# Allegro board pc065c_fibv2_toplevel_28smoothed.brd (continued)
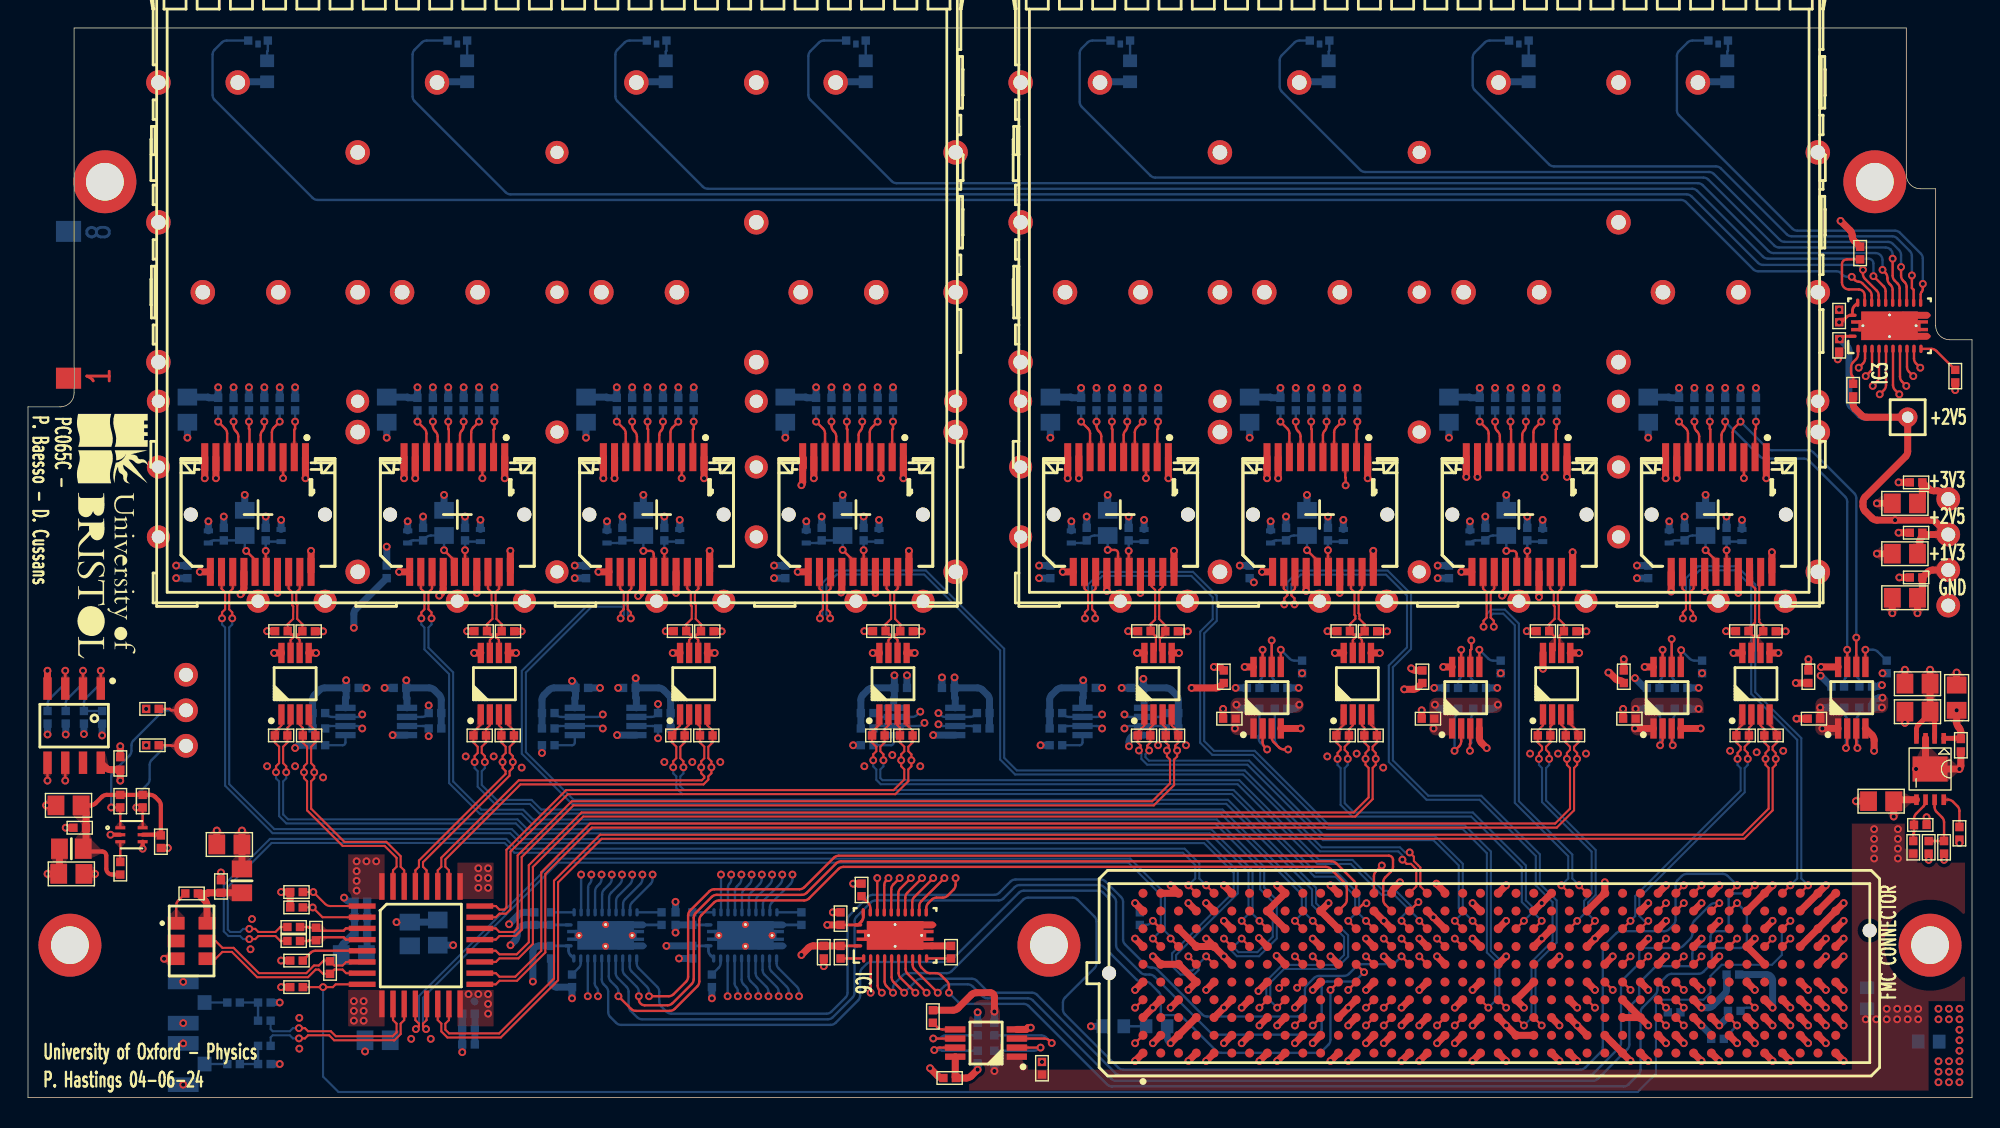
[diagram p0: board, top side]
## Routing (per net, layer and track width the routed paths; a pad name or vN(x,y) marks a point on that pad's centre or on a via; arc(x,y) is an arc through that point) (continued)
  BOTTOM w0.17: v1(41.74,15.95) 41.74,15.63 arc(41.7,15.44) 41.59,15.28 41.2,14.88 arc(41.09,14.72) 41.05,14.53 IC4.6 ; R53.2 v1(56.35,48.34)
SFP_LOS<4>: length 139.8
  TOP w0.17: v1(75.3,48.34) 75.79,47.85 arc(75.9,47.69) 75.94,47.5 J36.8
  L3_SIG w0.17: v1(42.47,15.95) 42.47,15.08 arc(42.43,14.89) 42.32,14.72 41.75,14.15 arc(41.58,14.04) 41.39,14 38.31,14 arc(38.12,14.04) 37.95,14.15 34.35,17.75 arc(34.18,17.86) 33.99,17.9 19.61,17.9 arc(19.42,17.94) 19.25,18.05 14.45,22.85 arc(14.34,23.02) 14.3,23.21 14.3,29.79 arc(14.26,29.98) 14.15,30.15 11.45,32.85 arc(11.34,33.02) 11.3,33.21 11.3,39.49 arc(11.26,39.68) 11.15,39.85 9.95,41.05 arc(9.84,41.22) 9.8,41.41 9.8,42.49 arc(9.84,42.68) 9.95,42.85 11.05,43.95 arc(11.16,44.12) 11.2,44.31 11.2,45.79 arc(11.16,45.98) 11.05,46.15 10.75,46.45 arc(10.64,46.62) 10.6,46.81 10.6,47.69 arc(10.64,47.88) 10.75,48.05 10.95,48.25 arc(11.06,48.42) 11.1,48.61 11.1,52.29 arc(11.14,52.48) 11.25,52.65 13.35,54.75 arc(13.52,54.86) 13.71,54.9 63.39,54.9 arc(63.58,54.86) 63.75,54.75 70.01,48.49 arc(70.17,48.38) 70.36,48.34 v1(75.3,48.34)
  BOTTOM w0.17: R126.2 v1(75.3,48.34) ; IC4.7 41.55,14.3 arc(41.59,14.49) 41.7,14.65 42.32,15.28 arc(42.43,15.44) 42.47,15.63 v1(42.47,15.95)
SFP_LOS<5>: length 157.8
  TOP w0.17: v1(89.55,48.34) 90.04,47.85 arc(90.15,47.69) 90.19,47.5 J32.8
  L3_SIG w0.17: v1(43.2,15.95) 43.2,14.91 arc(43.16,14.72) 43.05,14.55 42.25,13.75 arc(42.08,13.64) 41.89,13.6 38.01,13.6 arc(37.82,13.64) 37.65,13.75 34.05,17.35 arc(33.88,17.46) 33.69,17.5 19.41,17.5 arc(19.22,17.54) 19.05,17.65 13.95,22.75 arc(13.84,22.92) 13.8,23.11 13.8,29.59 arc(13.76,29.78) 13.65,29.95 8.35,35.25 arc(8.24,35.42) 8.2,35.61 8.2,41.59 arc(8.24,41.78) 8.35,41.95 10.65,44.25 arc(10.76,44.42) 10.8,44.61 10.8,45.49 arc(10.76,45.68) 10.65,45.85 10.35,46.15 arc(10.24,46.32) 10.2,46.51 10.2,47.99 arc(10.24,48.18) 10.35,48.35 10.55,48.55 arc(10.66,48.72) 10.7,48.91 10.7,52.49 arc(10.74,52.68) 10.85,52.85 13.25,55.25 arc(13.42,55.36) 13.61,55.4 81.29,55.4 arc(81.48,55.36) 81.64,55.25 88.4,48.49 arc(88.57,48.38) 88.76,48.34 v1(89.55,48.34)
  BOTTOM w0.17: IC4.8 42.05,14.07 arc(42.09,14.26) 42.2,14.42 43.05,15.28 arc(43.16,15.44) 43.2,15.63 v1(43.2,15.95) ; R118.2 v1(89.55,48.34)
SFP_LOS<6>: length 180.8
  TOP w0.17: v1(103.8,48.34) 104.29,47.85 arc(104.4,47.69) 104.44,47.5 J28.8
  L3_SIG w0.17: v1(43.93,15.95) 43.93,14.74 arc(43.89,14.55) 43.78,14.38 42.75,13.35 arc(42.58,13.24) 42.39,13.2 37.71,13.2 arc(37.52,13.24) 37.35,13.35 37.05,13.65 arc(36.88,13.76) 36.69,13.8 25.11,13.8 arc(24.92,13.76) 24.75,13.65 24.25,13.15 arc(24.08,13.04) 23.89,13 20,13 arc(19.65,13.15) 19.5,13.5 19.5,16.39 arc(19.46,16.58) 19.35,16.75 13.85,22.25 arc(13.68,22.36) 13.49,22.4 11.31,22.4 arc(11.12,22.44) 10.95,22.55 9.85,23.65 arc(9.74,23.82) 9.7,24.01 9.7,32.89 arc(9.66,33.08) 9.55,33.25 7.65,35.15 arc(7.54,35.32) 7.5,35.51 7.5,53.69 arc(7.54,53.88) 7.65,54.05 9.25,55.65 arc(9.42,55.76) 9.61,55.8 95.14,55.8 arc(95.33,55.76) 95.49,55.65 102.65,48.49 arc(102.82,48.38) 103.01,48.34 v1(103.8,48.34)
  BOTTOM w0.17: IC4.9 42.55,13.84 arc(42.59,14.03) 42.7,14.19 43.78,15.28 arc(43.89,15.44) 43.93,15.63 v1(43.93,15.95) ; R110.2 v1(103.8,48.34)
SFP_LOS<7>: length 200.2
  TOP w0.17: J24.8 118.69,47.5 arc(118.65,47.69) 118.54,47.85 v1(118.05,48.34)
  L3_SIG w0.17: v1(118.05,48.34) 117.15,49.25 arc(117.04,49.41) 117,49.6 117,52.19 arc(116.96,52.38) 116.85,52.55 113.35,56.05 arc(113.18,56.16) 112.99,56.2 9.41,56.2 arc(9.22,56.16) 9.05,56.05 7.25,54.25 arc(7.14,54.08) 7.1,53.89 7.1,35.21 arc(7.14,35.02) 7.25,34.85 9.05,33.05 arc(9.16,32.88) 9.2,32.69 9.2,23.51 arc(9.24,23.32) 9.35,23.15 10.55,21.95 arc(10.72,21.84) 10.91,21.8 13.49,21.8 arc(13.68,21.76) 13.85,21.65 18.85,16.65 arc(18.96,16.48) 19,16.29 19,13.51 arc(19.04,13.32) 19.15,13.15 19.55,12.75 arc(19.72,12.64) 19.91,12.6 24.19,12.6 arc(24.38,12.64) 24.55,12.75 24.95,13.15 arc(25.12,13.26) 25.31,13.3 36.59,13.3 arc(36.78,13.26) 36.95,13.15 37.15,12.95 arc(37.32,12.84) 37.51,12.8 39.59,12.8 arc(39.78,12.76) 39.95,12.65 40.65,11.95 arc(40.82,11.84) 41.01,11.8 41.79,11.8 arc(41.98,11.84) 42.15,11.95 44.51,14.31 arc(44.62,14.48) 44.66,14.67 v1(44.66,15.95)
  BOTTOM w0.17: v1(44.66,15.95) 44.66,15.63 arc(44.62,15.44) 44.51,15.28 43.2,13.96 arc(43.09,13.8) 43.05,13.61 IC4.10 ; R102.2 v1(118.05,48.34)
SFP_LOS_FPGA<0>: length 68.3
  TOP w0.17: 89.89,8.27 v1(89.46,7.84)
  L6_SIG w0.17: v1(40.02,7.25) 40.02,6.08 arc(40.06,5.89) 40.17,5.73 40.95,4.95 arc(41.12,4.84) 41.31,4.8 55.69,4.8 arc(55.88,4.84) 56.05,4.95 59.55,8.45 arc(59.72,8.56) 59.91,8.6 65.49,8.6 arc(65.68,8.64) 65.85,8.75 73.85,16.75 arc(74.02,16.86) 74.21,16.9 88.29,16.9 arc(88.48,16.86) 88.65,16.75 89.81,15.59 arc(89.91,15.43) 89.95,15.24 89.95,8.54 arc(89.91,8.35) 89.81,8.19 v1(89.46,7.84)
  BOTTOM w0.17: IC4.21 v1(40.02,7.25)
SFP_LOS_FPGA<1>: length 66.4
  TOP w0.17: J2.F10 v1(90.59,10.1)
  L6_SIG w0.17: v1(90.59,10.1) 91.05,10.57 arc(91.16,10.73) 91.2,10.92 91.2,14.73 arc(91.16,14.92) 91.05,15.08 88.65,17.48 arc(88.49,17.59) 88.3,17.63 74.24,17.63 arc(74.05,17.59) 73.88,17.48 65.58,9.18 arc(65.41,9.07) 65.22,9.03 59.44,9.03 arc(59.25,8.99) 59.08,8.88 55.88,5.68 arc(55.71,5.57) 55.52,5.53 41.61,5.53 arc(41.42,5.57) 41.26,5.68 40.9,6.03 arc(40.79,6.19) 40.76,6.38 v1(40.76,7.25)
  BOTTOM w0.17: v1(40.76,7.25) 40.76,7.61 arc(40.73,7.76) 40.64,7.89 arc(40.55,8.02) 40.52,8.17 IC4.20
SFP_LOS_FPGA<2>: length 73.6
  TOP w0.17: 93.69,8.27 v1(93.13,7.7)
  BOTTOM w0.17: v1(93.13,7.7) 93.13,4.14 arc(93.09,3.94) 92.98,3.78 92.55,3.35 arc(92.38,3.24) 92.19,3.2 85.31,3.2 arc(85.12,3.24) 84.95,3.35 82.55,5.75 arc(82.38,5.86) 82.19,5.9 81.2,5.9 arc(81.06,5.96) 81,6.1 81,7.19 arc(80.96,7.38) 80.85,7.55 80.25,8.15 arc(80.08,8.26) 79.89,8.3 79.61,8.3 arc(79.42,8.34) 79.25,8.45 77.45,10.26 arc(77.34,10.42) 77.3,10.61 77.3,14.03 arc(77.26,14.22) 77.15,14.38 76.88,14.65 arc(76.72,14.76) 76.53,14.8 71.21,14.8 arc(71.02,14.76) 70.85,14.65 66.05,9.85 arc(65.88,9.74) 65.69,9.7 60.31,9.7 arc(60.12,9.66) 59.95,9.55 59.65,9.25 arc(59.54,9.08) 59.5,8.89 59.5,7.31 arc(59.46,7.12) 59.35,6.95 57.75,5.35 arc(57.58,5.24) 57.39,5.2 42.41,5.2 arc(42.22,5.24) 42.05,5.35 41.63,5.77 arc(41.52,5.93) 41.48,6.12 41.48,7.57 arc(41.45,7.76) 41.34,7.92 41.17,8.09 arc(41.06,8.25) 41.02,8.44 IC4.19
SFP_LOS_FPGA<3>: length 65
  TOP w0.17: 93.69,13.35 94.15,13.8 arc(94.26,13.97) 94.3,14.16 94.3,14.99 arc(94.26,15.18) 94.15,15.35 93.15,16.35 arc(92.98,16.46) 92.79,16.5 58.31,16.5 arc(58.12,16.46) 57.95,16.35 55.85,14.25 arc(55.68,14.14) 55.49,14.1 49.41,14.1 arc(49.22,14.06) 49.05,13.95 48.15,13.05 arc(48.04,12.88) 48,12.69 48,8.31 arc(47.96,8.12) 47.85,7.95 46.25,6.35 arc(46.08,6.24) 45.89,6.2 43.47,6.2 arc(43.28,6.24) 43.12,6.35 v1(42.22,7.25)
  BOTTOM w0.17: IC4.18 41.52,8.67 arc(41.56,8.48) 41.67,8.32 42.07,7.92 arc(42.18,7.76) 42.22,7.57 v1(42.22,7.25)
SFP_LOS_FPGA<4>: length 74.7
  TOP w0.17: J2.F13 v1(95.53,8.97)
  BOTTOM w0.17: IC4.17 42.02,8.9 arc(42.06,8.71) 42.17,8.55 42.8,7.92 arc(42.91,7.76) 42.95,7.57 42.95,6.56 arc(42.98,6.37) 43.09,6.21 43.55,5.75 arc(43.72,5.64) 43.91,5.6 57.19,5.6 arc(57.38,5.64) 57.55,5.75 58.95,7.15 arc(59.06,7.32) 59.1,7.51 59.1,12.59 arc(59.14,12.78) 59.25,12.95 60.25,13.95 arc(60.42,14.06) 60.61,14.1 69.39,14.1 arc(69.58,14.14) 69.75,14.25 70.55,15.05 arc(70.72,15.16) 70.91,15.2 76.59,15.2 arc(76.78,15.16) 76.95,15.05 77.65,14.35 arc(77.76,14.18) 77.8,13.99 77.8,10.91 arc(77.84,10.72) 77.95,10.55 79.55,8.95 arc(79.72,8.84) 79.91,8.8 80.19,8.8 arc(80.38,8.76) 80.55,8.65 84.55,4.65 arc(84.72,4.54) 84.91,4.5 92.1,4.5 arc(92.38,4.62) 92.5,4.9 92.5,7.9 arc(92.62,8.18) 92.9,8.3 94.66,8.3 arc(94.85,8.34) 95.01,8.45 v1(95.53,8.97)
SFP_LOS_FPGA<5>: length 63.2
  TOP w0.17: J2.K13 94.97,15.13 arc(94.93,15.32) 94.82,15.48 93.55,16.75 arc(93.38,16.86) 93.19,16.9 58.14,16.9 arc(57.95,16.86) 57.79,16.75 55.68,14.65 arc(55.52,14.54) 55.33,14.5 49.24,14.5 arc(49.05,14.46) 48.89,14.35 47.75,13.21 arc(47.64,13.05) 47.6,12.86 47.6,8.47 arc(47.56,8.28) 47.45,8.12 46.08,6.75 arc(45.92,6.64) 45.73,6.6 44.1,6.6 arc(43.8,6.72) 43.67,7.03 v1(43.67,7.25)
  BOTTOM w0.17: v1(43.67,7.25) 43.67,7.57 arc(43.64,7.76) 43.53,7.92 42.67,8.78 arc(42.56,8.94) 42.52,9.13 IC4.16
SFP_LOS_FPGA<6>: length 67.6
  TOP w0.17: v1(44.41,7.25) 45.81,7.25 arc(46,7.29) 46.16,7.4 47.05,8.29 arc(47.16,8.45) 47.2,8.64 47.2,13.03 arc(47.24,13.22) 47.35,13.38 48.72,14.75 arc(48.88,14.86) 49.08,14.9 55.16,14.9 arc(55.35,14.94) 55.51,15.05 57.62,17.15 arc(57.78,17.26) 57.98,17.3 97.3,17.3 arc(97.51,17.21) 97.6,17 97.6,16.51 arc(97.56,16.32) 97.45,16.15 97.05,15.75 arc(96.94,15.58) 96.9,15.39 96.9,14.16 arc(96.94,13.97) 97.05,13.8 J2.J15
  BOTTOM w0.17: v1(44.41,7.25) 44.41,7.57 arc(44.37,7.76) 44.26,7.92 43.17,9.01 arc(43.06,9.17) 43.02,9.36 IC4.15
SFP_LOS_FPGA<7>: length 73.6
  TOP w0.17: 98.78,9.54 v1(98.21,10.1)
  BOTTOM w0.17: v1(98.21,10.1) 97.8,9.69 arc(97.63,9.58) 97.44,9.54 95.35,9.54 arc(95.16,9.5) 95,9.4 94.45,8.85 arc(94.28,8.74) 94.09,8.7 92.31,8.7 arc(92.12,8.66) 91.95,8.55 91.45,8.05 arc(91.34,7.88) 91.3,7.69 91.3,6.3 arc(91.15,5.95) 90.8,5.8 84.31,5.8 arc(84.12,5.84) 83.95,5.95 80.75,9.15 arc(80.58,9.26) 80.39,9.3 80.31,9.3 arc(80.12,9.34) 79.95,9.45 78.45,10.95 arc(78.34,11.12) 78.3,11.31 78.3,13.99 arc(78.26,14.18) 78.15,14.35 77.05,15.45 arc(76.88,15.56) 76.69,15.6 70.61,15.6 arc(70.42,15.56) 70.25,15.45 69.45,14.65 arc(69.28,14.54) 69.09,14.5 60.41,14.5 arc(60.22,14.46) 60.05,14.35 58.75,13.05 arc(58.64,12.88) 58.6,12.69 58.6,7.51 arc(58.56,7.32) 58.45,7.15 57.45,6.15 arc(57.28,6.04) 57.09,6 46.01,6 arc(45.82,6.04) 45.65,6.15 45.28,6.52 arc(45.17,6.68) 45.13,6.87 45.13,7.57 arc(45.1,7.76) 44.99,7.92 43.67,9.24 arc(43.56,9.4) 43.52,9.59 IC4.14
SFP_TD_N: length 6.4
  TOP w0.15: U3.6 19.43,32.73 19.25,32.91 19.25,33.12 19.39,33.12 R23.1 19.62,33.85 19.25,34.24 19.26,35.25 19.18,35.33 19.18,36.14 19.44,36.4 J7.19
SFP_TD_N_1: length 6.4
  TOP w0.15: J12.19 33.69,36.4 33.44,36.14 33.44,35.38 33.51,35.3 33.5,34.24 33.5,34.24 33.88,33.85 R35.1 33.64,33.12 33.49,33.12 33.49,32.91 33.67,32.73 U4.6
SFP_TD_N_2: length 6.4
  TOP w0.15: J16.19 47.94,36.4 47.69,36.14 47.69,35.33 47.76,35.26 47.75,34.24 48.12,33.85 R43.1 47.89,33.12 47.74,33.12 47.74,32.91 47.92,32.73 47.92,31.8
SFP_TD_N_3: length 6.4
  TOP w0.15: U6.6 62.17,32.73 61.99,32.91 61.99,33.12 62.14,33.12 R51.1 62.37,33.86 62,34.23 62,35.3 61.94,35.37 61.94,36.14 62.19,36.4 J20.19
SFP_TD_N_4: length 6.2
  TOP w0.15: U7.6 123.7,31.98 123.7,32.98 R100.1 124.07,33.73 123.79,34.01 123.79,34.19 123.78,34.2 123.78,36.08 123.79,36.09 123.79,36.59 123.89,36.69 J24.19
SFP_TD_N_5: length 6.3
  TOP w0.15: U8.6 109.5,31.93 109.5,33.03 R108.1 109.83,33.85 109.45,34.24 109.46,35.24 109.39,35.32 109.39,36.14 109.64,36.4 J28.19
SFP_TD_N_6: length 6.4
  TOP w0.15: J32.19 95.39,36.4 95.14,36.14 95.14,34.64 95.2,34.57 95.2,34.45 95.2,34.24 95.58,33.85 R116.1 95.34,33.12 95.19,33.12 95.19,32.91 95.38,32.73 U9.6
SFP_TD_N_7: length 6.3
  TOP w0.15: U10.6 80.94,31.99 80.94,32.84 81.32,33.22 R124.1 81.32,33.77 80.88,34.23 80.88,34.4 80.88,36.28 81.14,36.54 J36.19
SFP_TD_P: length 6.4
  TOP w0.15: J7.18 18.64,36.4 18.89,36.14 18.89,35.2 18.96,35.13 18.96,34.24 18.57,33.86 R22.1 18.81,33.12 18.95,33.12 18.95,32.91 18.77,32.73 U3.7
SFP_TD_P_1: length 6.4
  TOP w0.15: J12.18 32.89,36.4 33.15,36.14 33.15,35.26 33.22,35.18 33.21,34.24 32.83,33.86 R34.1 33.06,33.12 33.2,33.12 33.2,32.91 33.02,32.73 U4.7
SFP_TD_P_2: length 6.4
  TOP w0.15: J16.18 47.14,36.4 47.4,36.14 47.4,35.21 47.47,35.14 47.46,34.24 47.08,33.86 R42.1 47.31,33.12 47.45,33.12 47.45,32.91 47.27,32.73 U5.7
SFP_TD_P_3: length 6.4
  TOP w0.15: U6.7 61.52,32.73 61.7,32.91 61.7,33.12 61.56,33.12 R50.1 61.33,33.86 61.71,34.24 61.71,34.24 61.71,35.18 61.65,35.24 61.65,36.14 61.39,36.4 J20.18
SFP_TD_P_4: length 6.4
  TOP w0.15: U7.7 123.39,31.96 123.39,32.99 R99.1 123.02,33.53 123.48,33.97 123.48,34.19 123.49,34.2 123.49,36.2 123.5,36.22 123.5,36.4 123.09,36.81 J24.18
SFP_TD_P_5: length 6.3
  TOP w0.15: J28.18 108.84,36.4 109.09,36.14 109.09,35.2 109.17,35.12 109.16,34.24 109.16,34.24 108.78,33.86 R107.1 109.17,32.97 109.17,31.99 U8.7
SFP_TD_P_6: length 6.4
  TOP w0.15: J32.18 94.59,36.4 94.84,36.14 94.84,34.52 94.91,34.45 94.91,34.24 94.53,33.86 R115.1 94.76,33.12 94.91,33.12 94.91,32.91 94.72,32.73 U9.7
SFP_TD_P_7: length 6.3
  TOP w0.15: U10.7 80.64,31.97 80.64,32.95 80.6,32.99 80.6,33.03 R123.1 80.28,33.88 80.59,34.19 80.59,34.4 80.59,36.31 80.34,36.56 J36.18
SFP_TX_DISABLE<0>: length 67.6
  TOP w0.17: IC6.21 v1(60.73,15.7) ; J7.3 v1(18.24,44.3)
  L6_SIG w0.17: v1(60.73,15.7) 58.07,18.35 arc(57.91,18.46) 57.72,18.5 28.21,18.5 arc(28.02,18.54) 27.85,18.65 18.95,27.55 arc(18.84,27.72) 18.8,27.91 18.8,41.59 arc(18.76,41.78) 18.65,41.95 18.39,42.21 arc(18.28,42.38) 18.24,42.57 v1(18.24,44.3)
SFP_TX_DISABLE<1>: length 54.5
  TOP w0.17: IC6.20 61.23,15.19 arc(61.26,15.38) 61.37,15.55 v1(61.52,15.7) ; J12.3 v1(32.49,44.3)
  L6_SIG w0.17: v1(32.49,44.3) 32.49,43.82 arc(32.53,43.63) 32.64,43.46 33.25,42.85 arc(33.36,42.68) 33.4,42.49 33.4,27.11 arc(33.44,26.92) 33.55,26.75 38.75,21.55 arc(38.92,21.44) 39.11,21.4 55.62,21.4 arc(55.81,21.36) 55.97,21.25 v1(61.52,15.7)
SFP_TX_DISABLE<2>: length 39.2
  TOP w0.17: IC6.19 61.73,14.89 arc(61.76,15.08) 61.87,15.25 v1(62.33,15.7) ; J16.3 v1(46.74,44.3)
  L6_SIG w0.17: v1(62.33,15.7) 47.35,30.68 arc(47.24,30.84) 47.2,31.03 47.2,43.63 arc(47.16,43.82) 47.05,43.99 v1(46.74,44.3)
SFP_TX_DISABLE<3>: length 37.7
  TOP w0.17: v1(63.12,15.7) 62.37,14.95 arc(62.26,14.78) 62.23,14.59 IC6.18 ; J20.3 v1(60.99,44.3)
  L6_SIG w0.17: v1(60.99,44.3) 60.99,42.72 arc(61.03,42.53) 61.14,42.36 64.45,39.05 arc(64.56,38.88) 64.6,38.69 64.6,37.51 arc(64.64,37.32) 64.75,37.15 65.85,36.05 arc(65.96,35.88) 66,35.69 66,32.81 arc(66.04,32.62) 66.15,32.45 67.95,30.65 arc(68.06,30.48) 68.1,30.29 68.1,24.41 arc(68.06,24.22) 67.95,24.05 63.27,19.37 arc(63.16,19.21) 63.12,19.02 v1(63.12,15.7)
SFP_TX_DISABLE<4>: length 46.2
  TOP w0.17: IC6.17 62.73,14.29 arc(62.76,14.48) 62.87,14.65 v1(63.92,15.7) ; J36.3 v1(79.94,44.3)
  L6_SIG w0.17: v1(79.94,44.3) 78.15,42.51 arc(78.04,42.34) 78,42.15 78,38.91 arc(78.04,38.72) 78.15,38.55 80.05,36.65 arc(80.16,36.48) 80.2,36.29 80.2,34.11 arc(80.16,33.92) 80.05,33.75 77.75,31.45 arc(77.64,31.28) 77.6,31.09 77.6,24.81 arc(77.56,24.62) 77.45,24.45 76.75,23.75 arc(76.58,23.64) 76.39,23.6 68.51,23.6 arc(68.32,23.56) 68.15,23.45 64.07,19.37 arc(63.96,19.21) 63.92,19.02 v1(63.92,15.7)
SFP_TX_DISABLE<5>: length 58.3
  TOP w0.17: v1(94.21,43.79) 94.21,44.33 94.19,44.35 J32.3 ; IC6.16 63.23,13.99 arc(63.26,14.18) 63.37,14.35 v1(64.72,15.7)
  L6_SIG w0.17: v1(94.21,43.79) 94.21,42.29 arc(94.25,42.1) 94.36,41.94 95.05,41.25 arc(95.16,41.08) 95.2,40.89 95.2,28.91 arc(95.16,28.72) 95.05,28.55 89.85,23.35 arc(89.68,23.24) 89.49,23.2 69.01,23.2 arc(68.82,23.16) 68.65,23.05 64.87,19.27 arc(64.76,19.11) 64.72,18.92 v1(64.72,15.7)
SFP_TX_DISABLE<6>: length 68.5
  TOP w0.17: IC6.15 63.73,13.69 arc(63.76,13.88) 63.87,14.05 v1(65.53,15.7) ; J28.3 v1(108.44,44.38)
  L6_SIG w0.17: v1(108.44,44.38) 108.44,43.57 arc(108.48,43.38) 108.59,43.21 109.25,42.55 arc(109.36,42.38) 109.4,42.19 109.4,34.21 arc(109.36,34.02) 109.25,33.85 107.25,31.85 arc(107.08,31.74) 106.89,31.7 106.01,31.7 arc(105.82,31.66) 105.65,31.55 104.25,30.15 arc(104.08,30.04) 103.89,30 97.31,30 arc(97.12,29.96) 96.95,29.85 90.05,22.95 arc(89.88,22.84) 89.69,22.8 69.61,22.8 arc(69.42,22.76) 69.25,22.65 65.67,19.07 arc(65.56,18.91) 65.53,18.72 v1(65.53,15.7)
SFP_TX_DISABLE<7>: length 84
  TOP w0.17: J24.3 v1(122.69,44.3) ; v1(66.33,15.7) 66.33,15.22 arc(66.29,15.03) 66.18,14.87 65.75,14.45 arc(65.59,14.34) 65.4,14.3 64.97,14.3 arc(64.78,14.26) 64.62,14.15 64.37,13.91 arc(64.26,13.75) 64.22,13.55 IC6.14
  L6_SIG w0.17: v1(122.69,44.3) 122.69,43.42 arc(122.73,43.23) 122.84,43.06 123.65,42.25 arc(123.76,42.08) 123.8,41.89 123.8,31.81 arc(123.76,31.62) 123.65,31.45 123.25,31.05 arc(123.08,30.94) 122.89,30.9 117.71,30.9 arc(117.52,30.86) 117.35,30.75 115.45,28.85 arc(115.28,28.74) 115.09,28.7 99.51,28.7 arc(99.32,28.66) 99.15,28.55 98.55,27.95 arc(98.38,27.84) 98.19,27.8 95.71,27.8 arc(95.52,27.76) 95.35,27.65 90.25,22.55 arc(90.08,22.44) 89.89,22.4 70.11,22.4 arc(69.92,22.36) 69.75,22.25 66.47,18.97 arc(66.36,18.81) 66.33,18.62 v1(66.33,15.7)
SFP_TX_DISABLE_FPGA<0>: length 82
  TOP w0.17: IC6.3 v1(60.25,7.5) ; 117.83,9.54 v1(118.39,10.1)
  L6_SIG w0.17: v1(60.25,7.5) 61.6,6.15 arc(61.77,6.04) 61.96,6 66.69,6 arc(66.88,6.04) 67.05,6.15 68,7.1 arc(68.17,7.21) 68.36,7.25 74.94,7.25 arc(75.13,7.29) 75.3,7.4 75.95,8.05 arc(76.06,8.22) 76.1,8.41 76.1,9.39 arc(76.14,9.58) 76.25,9.75 76.65,10.15 arc(76.82,10.26) 77.01,10.3 77.79,10.3 arc(77.98,10.34) 78.15,10.45 78.35,10.65 arc(78.52,10.76) 78.71,10.8 84.4,10.8 arc(84.75,10.65) 84.9,10.3 84.9,3.71 arc(84.94,3.52) 85.05,3.35 86.65,1.75 arc(86.82,1.64) 87.01,1.6 106.69,1.6 arc(106.88,1.64) 107.05,1.75 108.75,3.45 arc(108.86,3.62) 108.9,3.81 108.9,10.19 arc(108.94,10.38) 109.05,10.55 110.35,11.85 arc(110.52,11.96) 110.71,12 117.38,12 arc(117.57,11.96) 117.74,11.85 118.25,11.35 arc(118.35,11.18) 118.39,10.99 v1(118.39,10.1)
SFP_TX_DISABLE_FPGA<1>: length 89.7
  TOP w0.17: IC6.4 60.75,8.01 arc(60.79,7.82) 60.9,7.65 v1(61.05,7.5) ; 116.56,8.27 v1(117.12,7.7)
  L6_SIG w0.17: v1(117.12,7.7) 118.95,9.53 arc(119.06,9.69) 119.1,9.88 119.1,11.99 arc(119.06,12.18) 118.95,12.35 118.15,13.15 arc(117.98,13.26) 117.79,13.3 108,13.3 arc(107.72,13.18) 107.6,12.9 107.6,3.61 arc(107.56,3.42) 107.45,3.25 106.35,2.15 arc(106.18,2.04) 105.99,2 88.01,2 arc(87.82,2.04) 87.65,2.15 86.35,3.45 arc(86.24,3.62) 86.2,3.81 86.2,11.29 arc(86.16,11.48) 86.05,11.65 85.75,11.95 arc(85.58,12.06) 85.39,12.1 79.31,12.1 arc(79.12,12.06) 78.95,11.95 77.95,10.95 arc(77.78,10.84) 77.59,10.8 76.71,10.8 arc(76.52,10.76) 76.35,10.65 75.85,10.15 arc(75.74,9.98) 75.7,9.79 75.7,8.61 arc(75.66,8.42) 75.55,8.25 75.45,8.15 arc(75.28,8.04) 75.09,8 68.51,8 arc(68.32,7.96) 68.15,7.85 66.85,6.55 arc(66.68,6.44) 66.49,6.4 62.36,6.4 arc(62.17,6.44) 62,6.55 v1(61.05,7.5)
SFP_TX_DISABLE_FPGA<2>: length 91.1
  TOP w0.17: 121.64,14.62 v1(122.2,15.18) ; IC6.5 61.25,8.31 arc(61.29,8.12) 61.4,7.95 v1(61.85,7.5)
  BOTTOM w0.17: v1(61.85,7.5) 61.85,7.84 arc(61.89,8.03) 62,8.2 62.55,8.75 arc(62.72,8.86) 62.91,8.9 65.69,8.9 arc(65.88,8.94) 66.05,9.05 71.15,14.15 arc(71.32,14.26) 71.51,14.3 74.69,14.3 arc(74.88,14.26) 75.05,14.15 76.25,12.95 arc(76.36,12.78) 76.4,12.59 76.4,9.61 arc(76.36,9.42) 76.25,9.25 74.15,7.15 arc(74.04,6.98) 74,6.79 74,6.31 arc(74.04,6.12) 74.15,5.95 77.95,2.15 arc(78.12,2.04) 78.31,2 110.99,2 arc(111.18,2.04) 111.35,2.15 112.45,3.25 arc(112.56,3.42) 112.6,3.61 112.6,10.59 arc(112.64,10.78) 112.75,10.95 113.55,11.75 arc(113.72,11.86) 113.91,11.9 116.99,11.9 arc(117.18,11.94) 117.35,12.05 117.65,12.35 arc(117.76,12.52) 117.8,12.71 117.8,15.19 arc(117.84,15.38) 117.95,15.55 118.25,15.85 arc(118.42,15.96) 118.61,16 121.17,16 arc(121.37,15.96) 121.53,15.85 v1(122.2,15.18)
SFP_TX_DISABLE_FPGA<3>: length 73.8
  TOP w0.17: v1(62.65,7.5) 61.9,8.25 arc(61.79,8.42) 61.75,8.61 IC6.6 ; J2.J33 v1(120.93,13.91)
  BOTTOM w0.17: v1(120.93,13.91) 120.62,13.91 arc(120.43,13.87) 120.27,13.77 119.15,12.65 arc(119.04,12.48) 119,12.29 119,11.71 arc(118.96,11.52) 118.85,11.35 118.35,10.85 arc(118.18,10.74) 117.99,10.7 115.5,10.7 arc(115.29,10.61) 115.2,10.4 115.2,9.81 arc(115.16,9.62) 115.05,9.45 114.05,8.45 arc(113.94,8.28) 113.9,8.09 113.9,3.91 arc(113.86,3.72) 113.75,3.55 111.95,1.75 arc(111.78,1.64) 111.59,1.6 78.11,1.6 arc(77.92,1.64) 77.75,1.75 72.15,7.35 arc(71.98,7.46) 71.79,7.5 68.91,7.5 arc(68.72,7.54) 68.55,7.65 67.85,8.35 arc(67.68,8.46) 67.49,8.5 63.86,8.5 arc(63.67,8.46) 63.5,8.35 v1(62.65,7.5)
SFP_TX_DISABLE_FPGA<4>: length 88.4
  TOP w0.17: v1(63.45,7.5) 62.4,8.55 arc(62.29,8.72) 62.25,8.91 IC6.7 ; 119.09,9.54 v1(119.66,10.1)
  L6_SIG w0.17: v1(119.66,10.1) 120.15,10.59 arc(120.26,10.76) 120.3,10.95 120.3,14.1 arc(120.15,14.45) 119.8,14.6 107.91,14.6 arc(107.72,14.56) 107.55,14.45 106.55,13.45 arc(106.44,13.28) 106.4,13.09 106.4,4.91 arc(106.36,4.72) 106.25,4.55 105.15,3.45 arc(104.98,3.34) 104.79,3.3 89.21,3.3 arc(89.02,3.34) 88.85,3.45 87.55,4.75 arc(87.44,4.92) 87.4,5.11 87.4,13.19 arc(87.36,13.38) 87.25,13.55 86.45,14.35 arc(86.28,14.46) 86.09,14.5 72.91,14.5 arc(72.72,14.46) 72.55,14.35 68.85,10.65 arc(68.74,10.48) 68.7,10.29 68.7,9.21 arc(68.66,9.02) 68.55,8.85 66.75,7.05 arc(66.58,6.94) 66.39,6.9 64.26,6.9 arc(64.07,6.94) 63.9,7.05 v1(63.45,7.5)
SFP_TX_DISABLE_FPGA<5>: length 94.7
  TOP w0.17: J2.E31 v1(118.39,7.7) ; IC6.8 62.75,9.21 arc(62.79,9.02) 62.9,8.85 v1(64.25,7.5)
  L6_SIG w0.17: v1(118.39,7.7) 119.65,8.95 arc(119.81,9.06) 120,9.1 120.79,9.1 arc(120.98,9.14) 121.15,9.25 121.45,9.55 arc(121.56,9.72) 121.6,9.91 121.6,15.5 arc(121.45,15.85) 121.1,16 107.81,16 arc(107.62,15.96) 107.45,15.85 105.15,13.55 arc(105.04,13.38) 105,13.19 105,6.31 arc(104.96,6.12) 104.85,5.95 103.65,4.75 arc(103.48,4.64) 103.29,4.6 89.1,4.6 arc(88.82,4.72) 88.7,5 88.7,14.42 arc(88.66,14.62) 88.55,14.78 87.58,15.75 arc(87.41,15.86) 87.22,15.9 73.74,15.9 arc(73.55,15.86) 73.39,15.75 68.45,10.81 arc(68.34,10.65) 68.3,10.46 68.3,9.41 arc(68.26,9.22) 68.15,9.05 67.35,8.25 arc(67.18,8.14) 66.99,8.1 65.06,8.1 arc(64.87,8.06) 64.7,7.95 v1(64.25,7.5)
SFP_TX_DISABLE_FPGA<6>: length 75.5
  TOP w0.17: v1(65.05,7.5) 63.4,9.15 arc(63.29,9.32) 63.25,9.51 IC6.9 ; 122.91,14.62 v1(123.47,15.18)
  BOTTOM w0.17: v1(65.05,7.5) 65.5,7.95 arc(65.67,8.06) 65.86,8.1 67.19,8.1 arc(67.38,8.06) 67.55,7.95 68.25,7.25 arc(68.42,7.14) 68.61,7.1 71.49,7.1 arc(71.68,7.06) 71.85,6.95 77.45,1.35 arc(77.62,1.24) 77.81,1.2 111.89,1.2 arc(112.08,1.24) 112.25,1.35 114.35,3.45 arc(114.46,3.62) 114.5,3.81 114.5,6.29 arc(114.54,6.48) 114.65,6.65 115.05,7.05 arc(115.16,7.22) 115.2,7.41 115.2,7.99 arc(115.24,8.18) 115.35,8.35 116.25,9.25 arc(116.42,9.36) 116.61,9.4 118.8,9.4 arc(118.94,9.46) 119,9.6 119,10.3 arc(119.15,10.65) 119.5,10.8 120,10.8 arc(120.21,10.89) 120.3,11.1 120.3,11.5 arc(120.42,11.78) 120.7,11.9 121.4,11.9 arc(121.54,11.96) 121.6,12.1 121.6,14.2 arc(121.72,14.48) 122,14.6 122.68,14.6 arc(122.87,14.64) 123.04,14.75 v1(123.47,15.18)
SFP_TX_DISABLE_FPGA<7>: length 74.9
  TOP w0.17: IC6.10 63.75,9.64 arc(63.79,9.45) 63.9,9.29 64.14,9.05 arc(64.3,8.94) 64.5,8.9 64.92,8.9 arc(65.12,8.86) 65.28,8.75 65.7,8.33 arc(65.81,8.17) 65.85,7.97 v1(65.85,7.5) ; 121.64,13.35 v1(122.2,13.91)
  BOTTOM w0.17: v1(65.85,7.5) 66.5,6.85 arc(66.67,6.74) 66.86,6.7 71.19,6.7 arc(71.38,6.66) 71.55,6.55 77.15,0.95 arc(77.32,0.84) 77.51,0.8 114.09,0.8 arc(114.28,0.84) 114.45,0.95 115.15,1.65 arc(115.26,1.82) 115.3,2.01 115.3,6.09 arc(115.34,6.28) 115.45,6.45 116.35,7.35 arc(116.46,7.52) 116.5,7.71 116.5,7.82 arc(116.54,8.01) 116.65,8.18 117.17,8.7 arc(117.34,8.81) 117.53,8.85 119.44,8.85 arc(119.63,8.89) 119.8,9 120.25,9.45 arc(120.36,9.62) 120.4,9.81 120.4,10.4 arc(120.49,10.61) 120.7,10.7 122.4,10.7 arc(122.75,10.85) 122.9,11.2 122.9,13.01 arc(122.86,13.2) 122.75,13.36 v1(122.2,13.91)
TD_FFD_N<0>: length 83.1
  TOP w0.15: U3.2 18.77,26.68 18.55,26.45 R1.2 18.55,25.4 18.25,25.09 18.25,23.92 18.46,23.7 v1(18.46,23.27) ; J2.H8 v1(88.05,12.64)
  BOTTOM w0.15: v1(18.46,23.27) 18.46,22.83 18.25,22.61 18.25,20.25 18.59,19.9 35,19.9 35.71,19.19 84.61,19.19 87.56,16.24 87.56,13.13 v1(88.05,12.64)
TD_FFD_N<1>: length 70.6
  TOP w0.15: U4.2 33.02,26.62 32.75,26.35 R187.2 32.75,25.4 32.45,25.09 32.45,24.65 32.66,24.43 v1(32.66,24) ; J2.H11 v1(91.86,12.64)
  BOTTOM w0.15: v1(32.66,24) 32.66,23.56 32.45,23.34 32.45,22.36 33.51,21.29 36.01,21.29 36.7,20.6 85.41,20.6 91.37,14.64 91.37,13.13 v1(91.86,12.64)
TD_FFD_N<2>: length 60.2
  TOP w0.15: U5.2 47.27,26.68 46.95,26.35 R189.2 46.95,25.4 46.65,25.09 46.65,24.27 46.87,24.05 v1(46.87,23.62) ; J2.H14 v1(95.67,12.64)
  BOTTOM w0.15: v1(46.87,23.62) 46.87,23.19 46.65,22.97 46.65,22.27 46.91,22 86.2,22 92.11,16.09 93.61,16.09 95.18,14.52 95.18,13.13 v1(95.67,12.64)
TD_FFD_N<3>: length 48.8
  TOP w0.15: v1(61.16,24.12) 61.16,24.55 60.95,24.77 60.95,25.09 61.25,25.4 R191.2 61.25,26.35 61.52,26.62 U6.2 ; J2.H17 v1(99.48,12.64)
  BOTTOM w0.15: v1(61.16,24.12) 61.16,23.69 60.95,23.47 60.95,22.85 61.09,22.7 86.61,22.7 92.31,17 94.7,17 96.91,14.79 97.81,14.79 98.9,13.7 98.9,13.3 99.48,12.72 v1(99.48,12.64)
TD_FFD_N<4>: length 34.4
  TOP w0.15: U10.2 80.47,26.68 80.25,26.45 R199.2 80.25,25.4 80.03,25.18 80.03,24.96 v1(80.17,24.82) ; 103.86,12.07 v1(103.29,12.64)
  BOTTOM w0.15: v1(103.29,12.64) 102.8,13.13 102.8,13.46 102.59,13.67 102.59,16.72 100.61,18.7 92.71,18.7 87.31,24.1 80.14,24.1 79.9,24.34 79.9,24.56 v1(80.17,24.82)
TD_FFD_N<5>: length 26.8
  TOP w0.15: U9.2 94.72,26.62 94.45,26.35 R197.2 94.45,25.4 94.14,25.09 94.14,24.87 94.36,24.65 v1(94.36,24.22) ; J2.H23 v1(108.23,12.64)
  BOTTOM w0.15: v1(108.23,12.64) 107.74,13.13 107.74,13.46 107.1,14.11 107.1,16.6 103.31,20.39 94.81,20.39 94.14,21.06 94.14,23.57 94.36,23.79 v1(94.36,24.22)
